# Altium PCB PCB_LoraRemote.PcbDoc
Units mil, origin at the board's own origin, x right, y up, seen from the top; angles counter-clockwise.
Board outline 2132.08 x 1899.79 mil, 4 copper layers (Top Layer, Layer1_VCC, Layer2_GND, Bottom Layer), stack 53.912 mil thick; 72 components, 93 nets, 422 pads, 144 vias.
Unrouted connection lines stored in the file: 69.
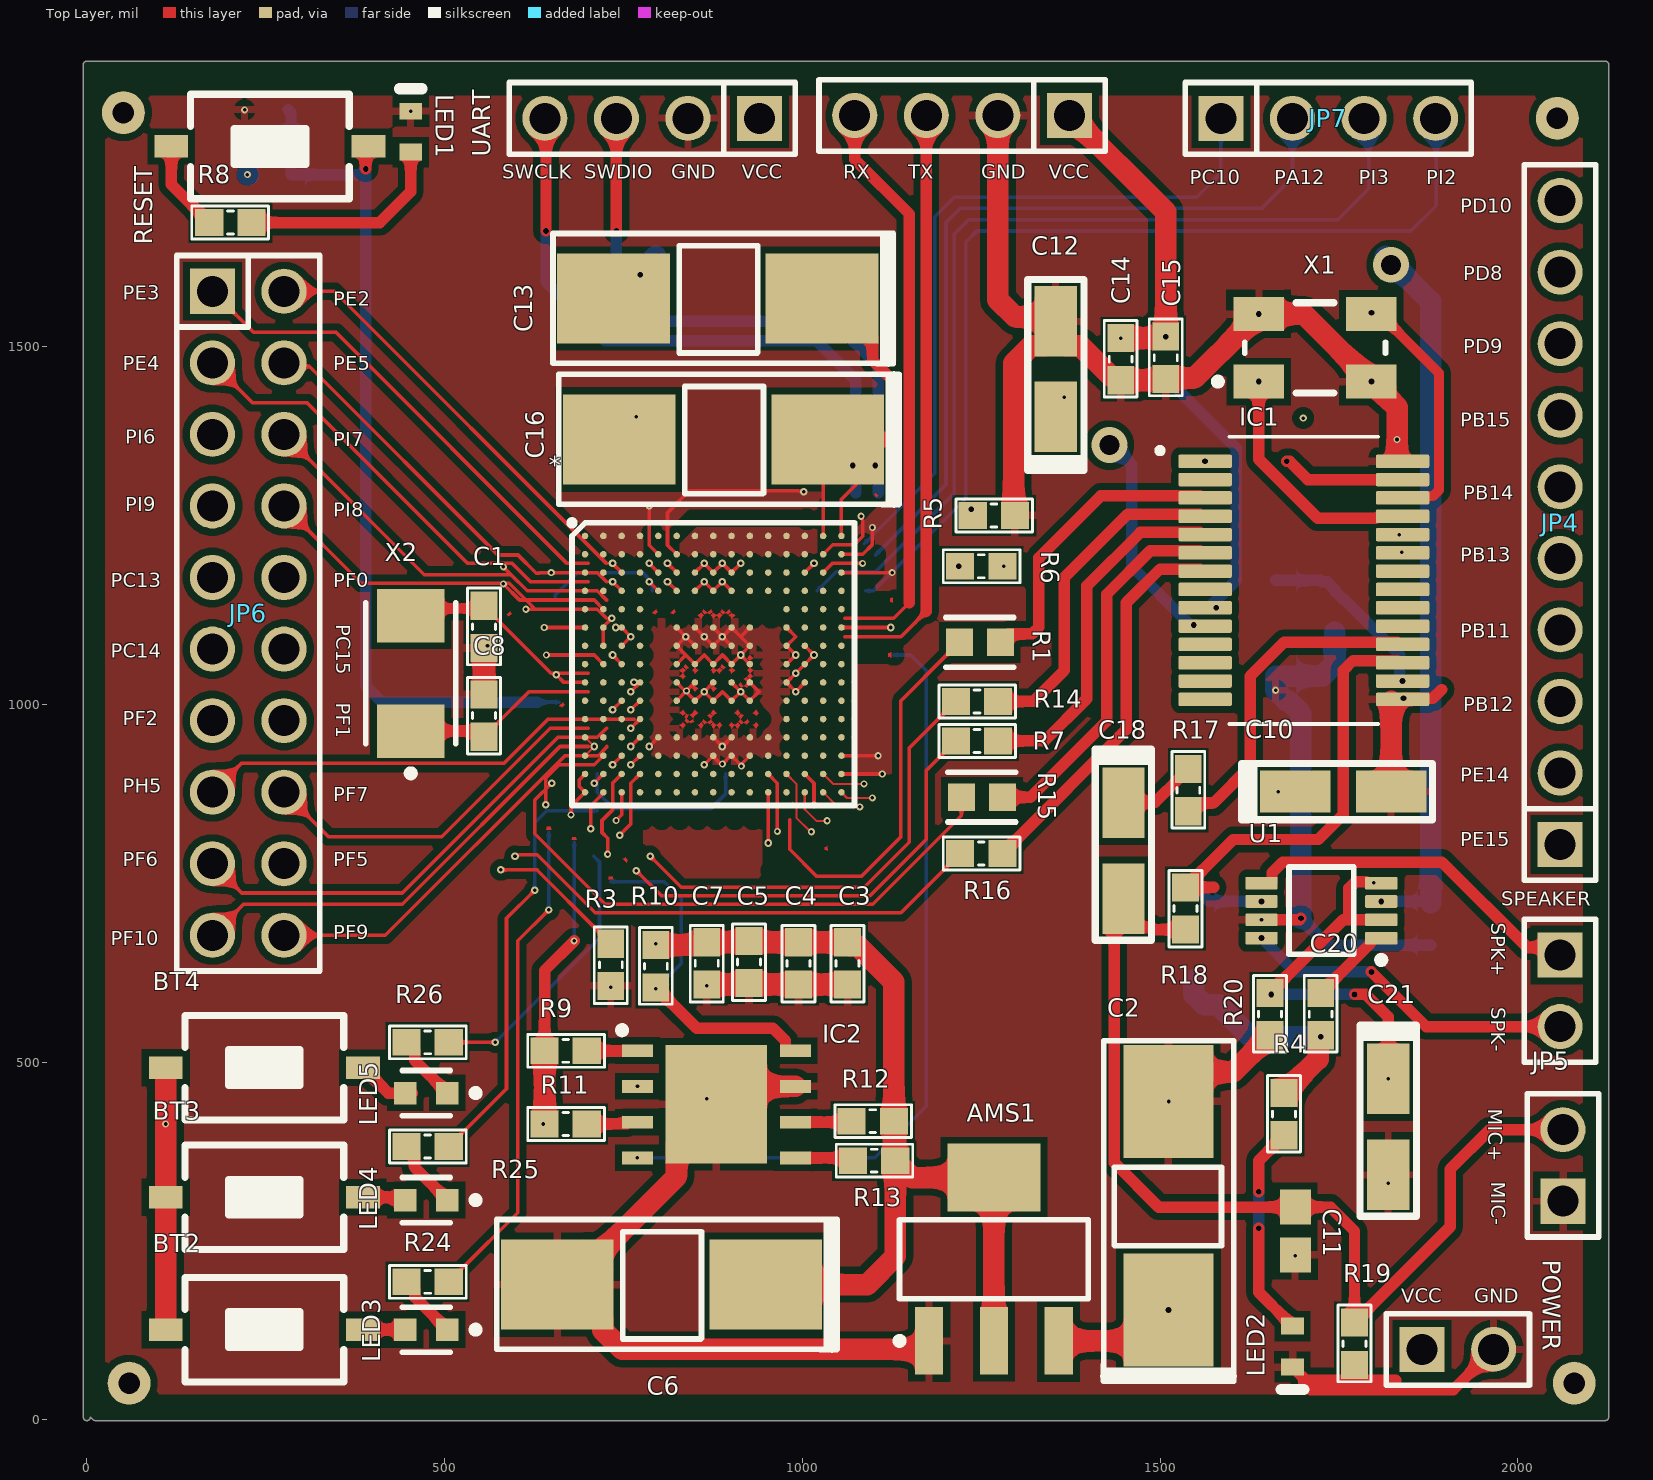
[diagram p0: Top Layer view]
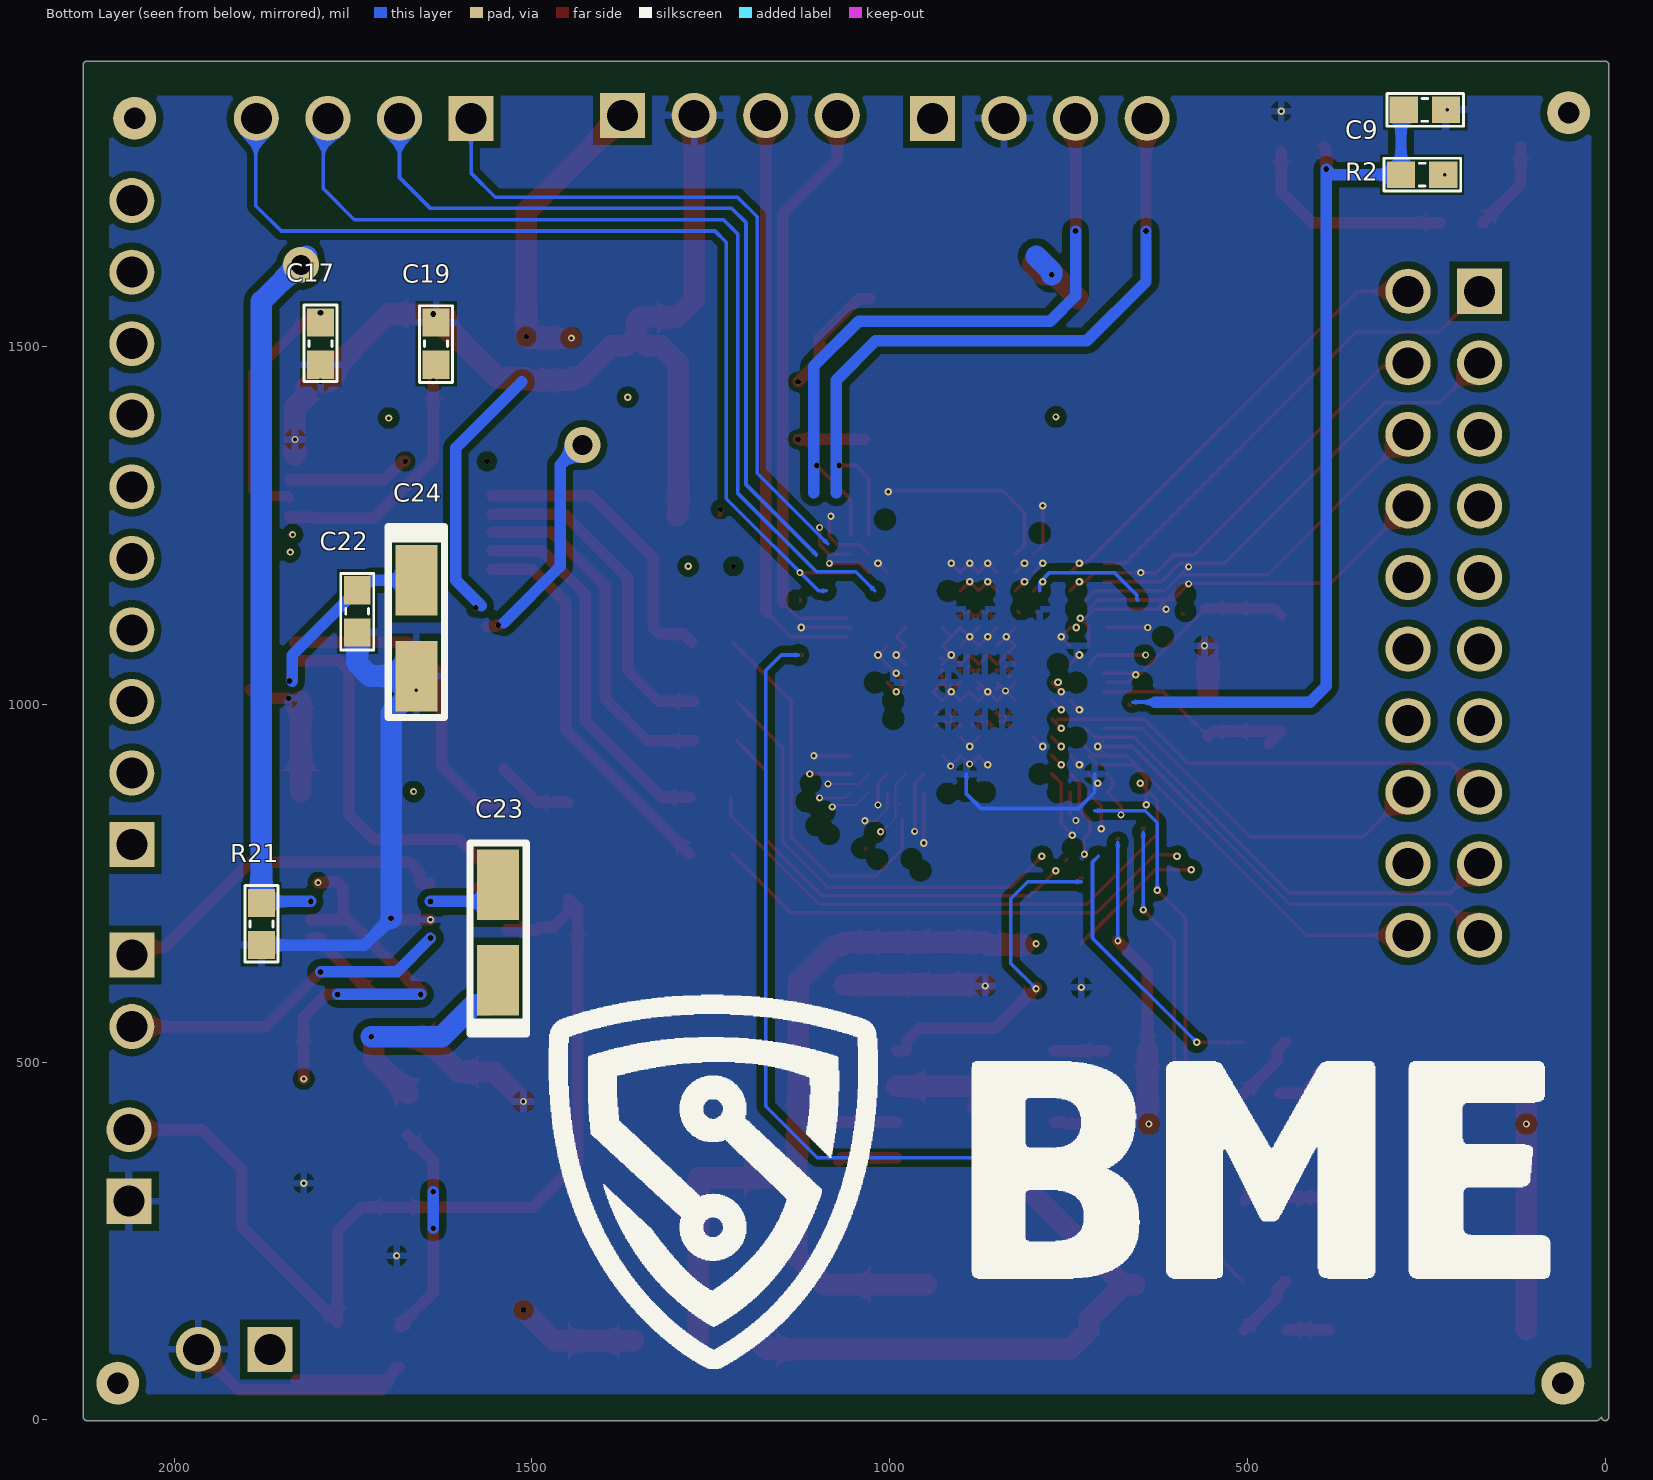
[diagram p1: Bottom Layer view, seen from below]
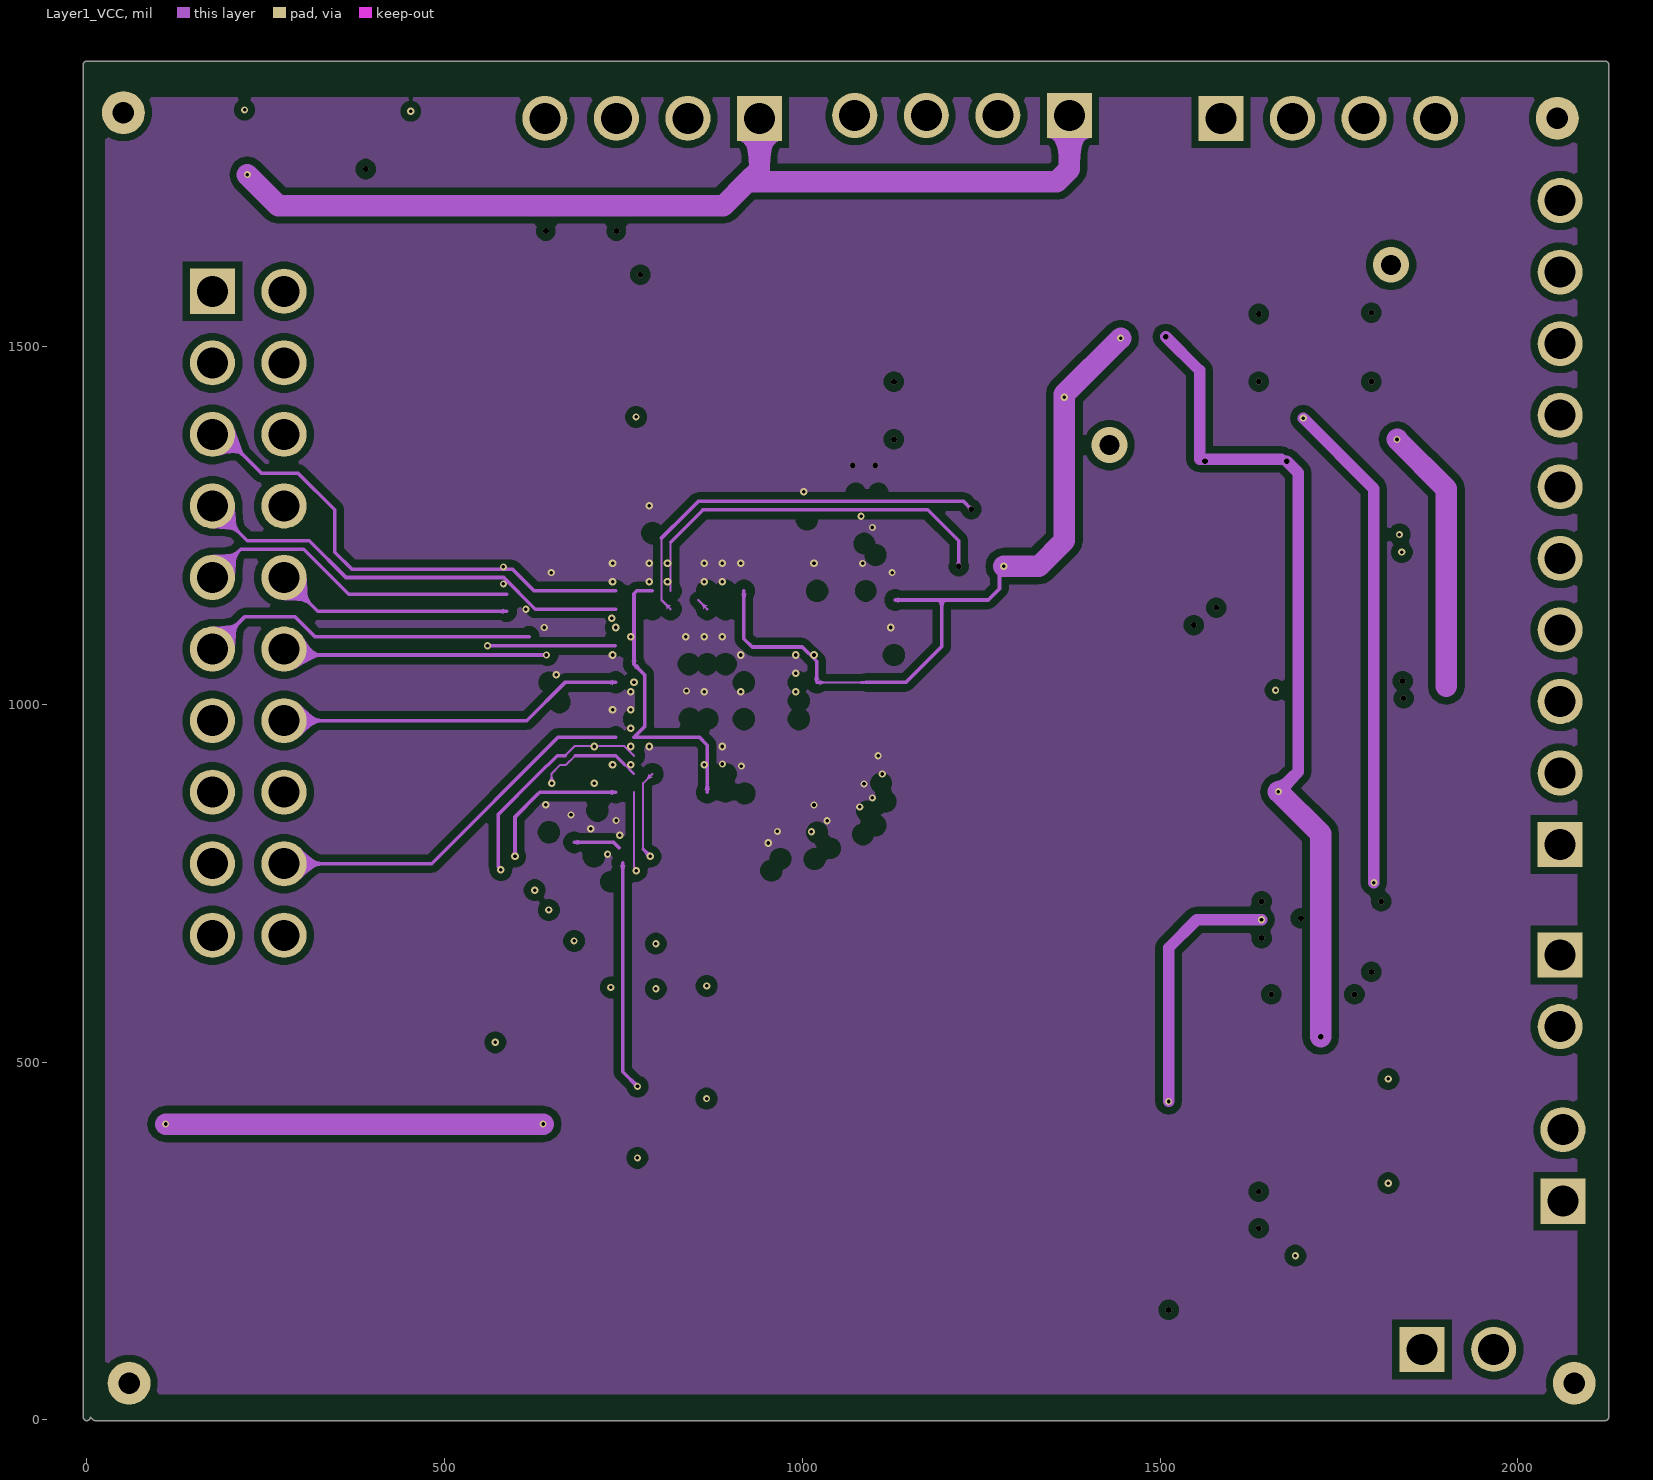
[diagram p2: Layer1_VCC]
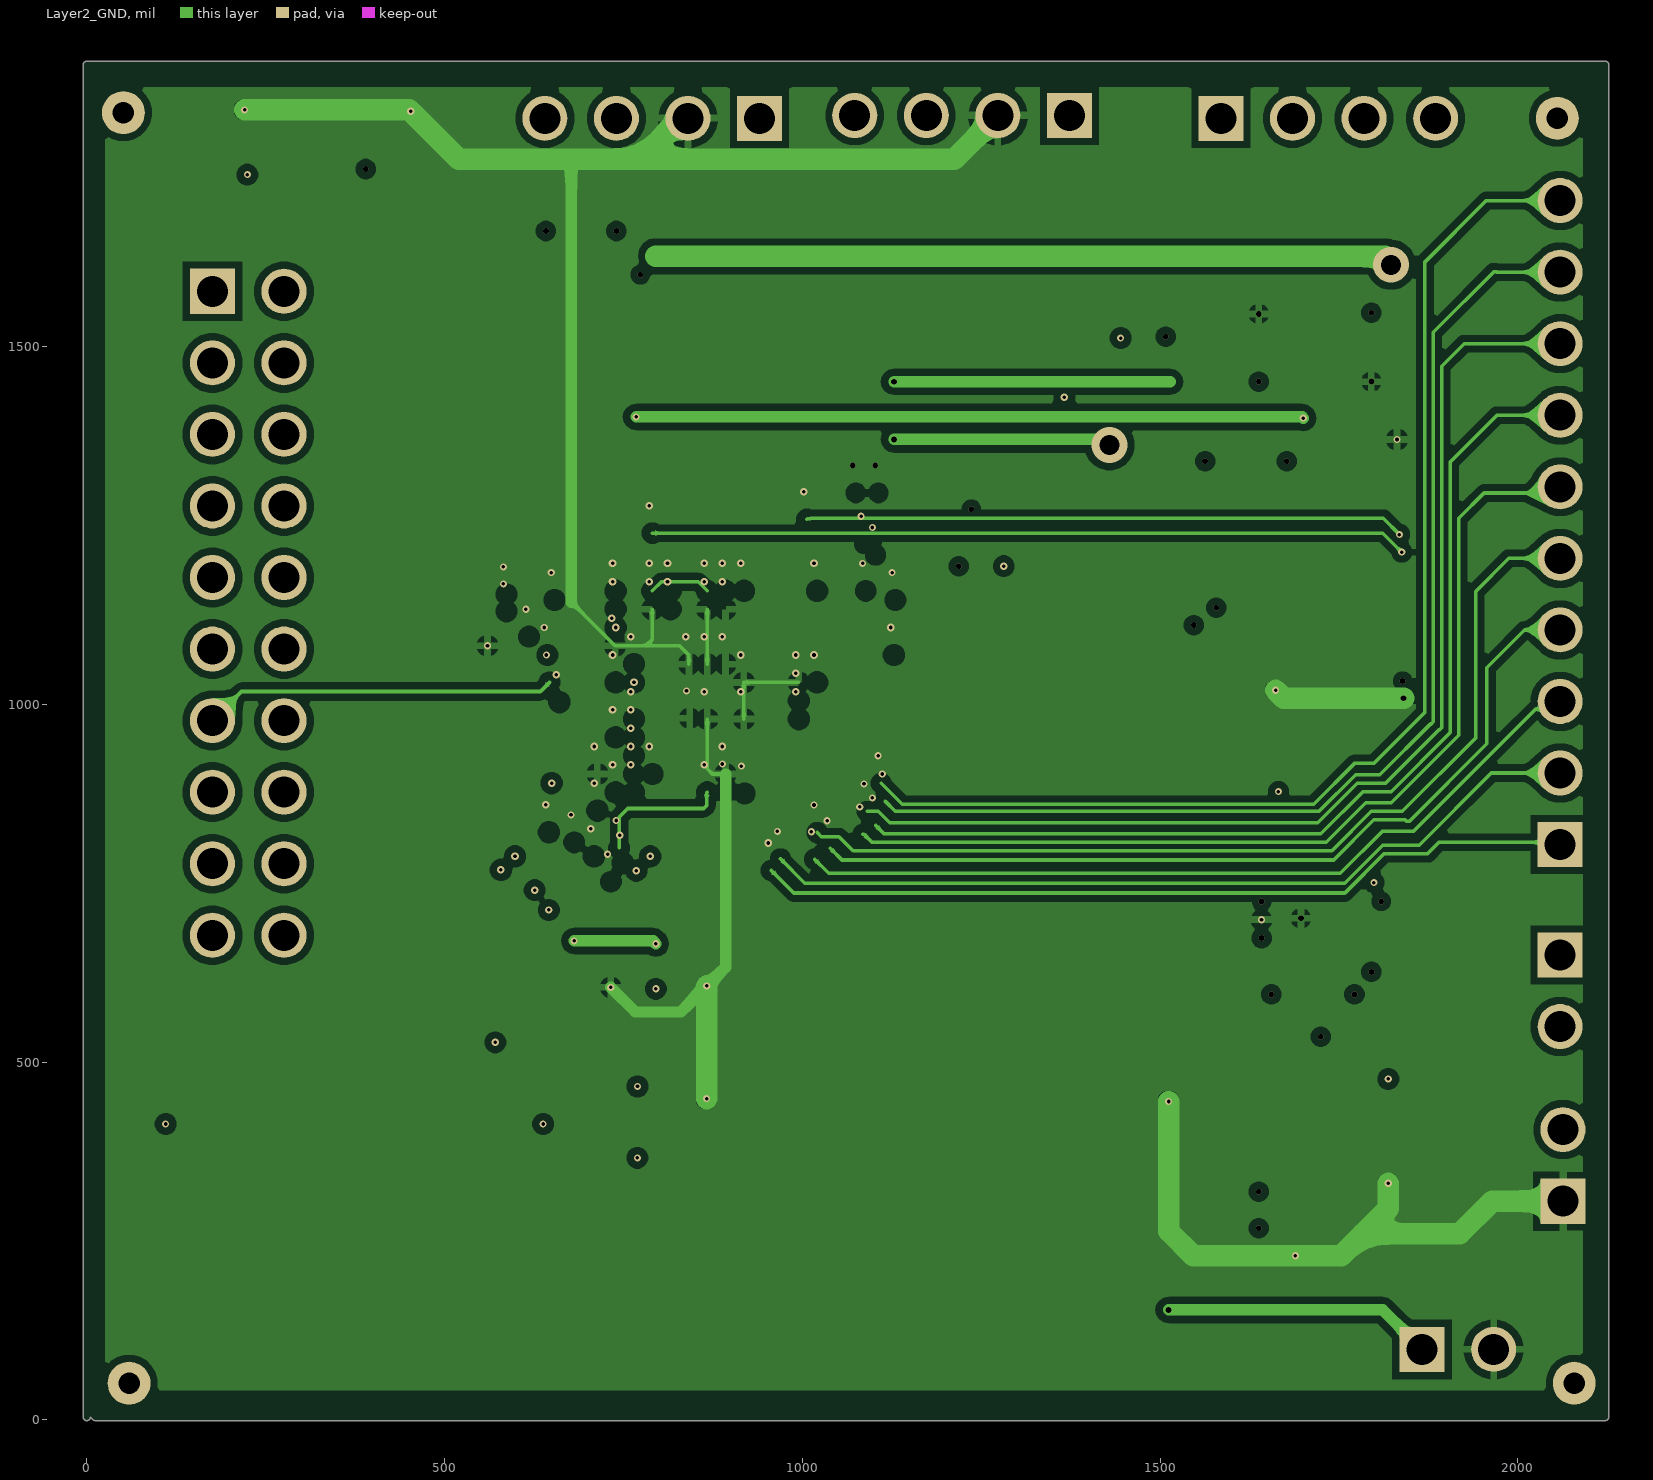
[diagram p3: Layer2_GND]
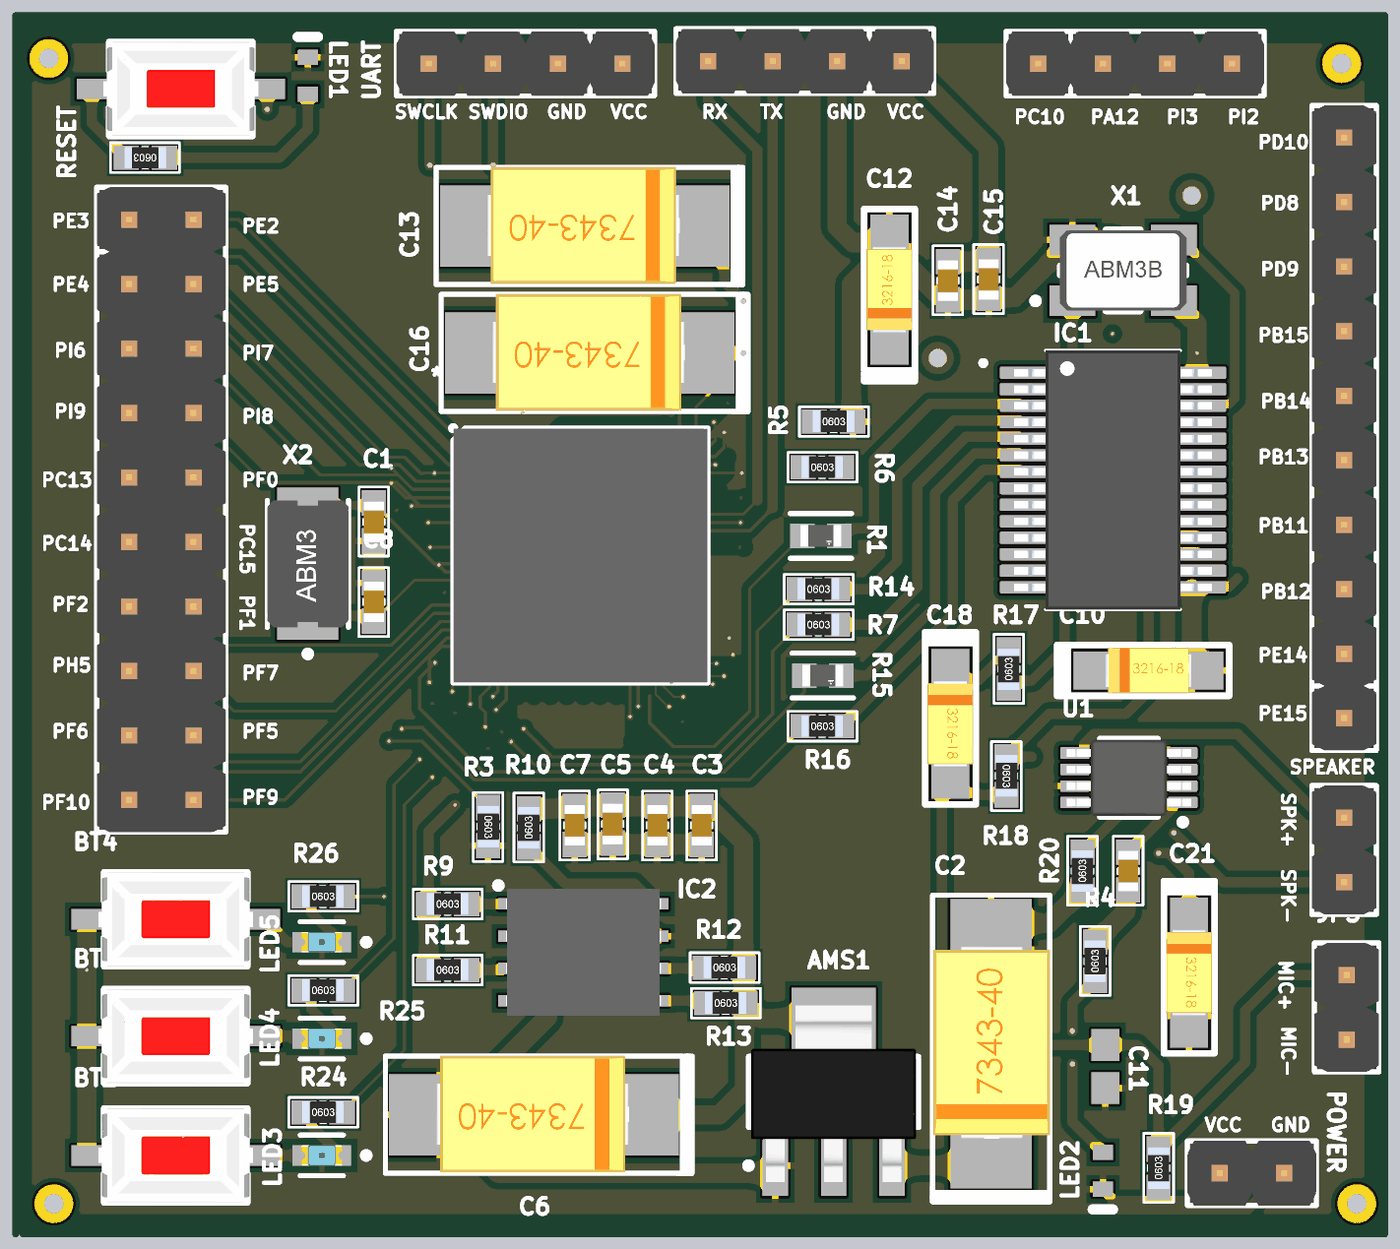
[diagram p4: 3D render of the assembled board from above, using the file's embedded part models]
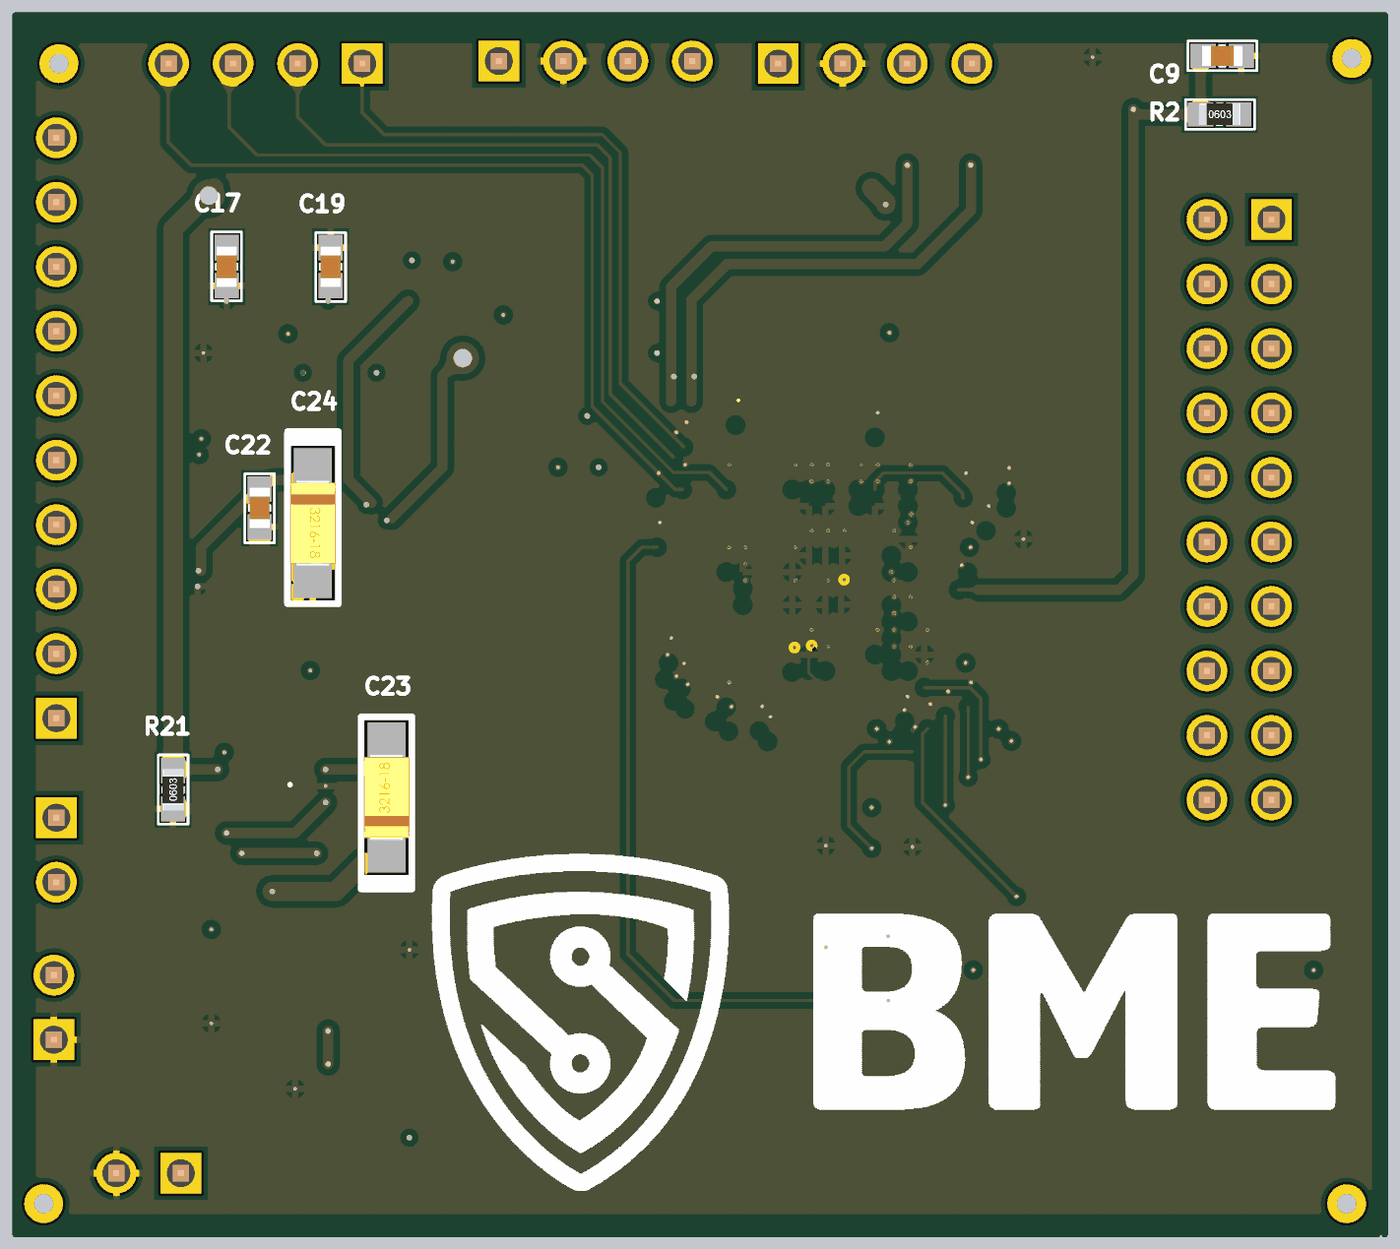
[diagram p5: 3D render of the assembled board from below, using the file's embedded part models]

## Layer stack, top to bottom
Top Solder: solder mask 1, SM-001, Dk 4
Top Layer: signal copper 1.378
Dielectric 1: prepreg 5.1, PP-017, Dk 4.3
Dielectric 2: prepreg 5.1, PP-017, Dk 4.3
Layer1_VCC: signal copper 1.378
Dielectric 3: core 28, Core-039, Dk 4.8
Layer2_GND: signal copper 1.378
Dielectric 4: prepreg 5.1, PP-017, Dk 4.3
Dielectric 5: prepreg 5.1, PP-017, Dk 4.3
Bottom Layer: signal copper 1.378
Bottom Solder: solder mask 1, SM-001, Dk 4

## Board outline
-5.01,3.94 ccw(c0,3.94) 5.01,3.65 8.26,0.39 ccw(c11.8,3.91) 11.81,-1.08 2122.05,-1.08 ccw(c2122.05,3.94) 2127.06,3.94 2127.06,1893.7 ccw(c2122.05,1893.7) 2122.05,1898.72 0,1898.72 ccw(c0,1893.7) -5.02,1893.7

## Design rules (kind name [scope] priority, off if disabled: settings)
Clearance Clearance_BGA [WithinRoom('BGA')] p1: gap=3 ignorepadtopadclearanceinfootprint=FALSE
Clearance [All] p2: gap=10 ignorepadtopadclearanceinfootprint=FALSE
DiffPairsRouting [All] p1: maxlimit=15 minlimit=5 mostfreqgap=12 toplayer_minwidth=5 toplayer_maxwidth=34 toplayer_prefwidth=5 midlayer1_minwidth=5 midlayer1_maxwidth=34 midlayer1_prefwidth=5 midlayer2_minwidth=5 midlayer2_maxwidth=34 midlayer2_prefwidth=5 bottomlayer_minwidth=5 bottomlayer_maxwidth=34 bottomlayer_prefwidth=5 maxuncoupledlength=500
PolygonConnect [All] p1: connectstyle=Relief reliefconductorwidth=10 reliefentries=4 polygonreliefangle="90 Angle" airgapwidth=10
RoutingVias RoutingVias_BGA [WithinRoom('BGA')] p1: holewidth=5 width=10 viastyle="Through Hole" minholewidth=5 minwidth=10 maxholewidth=5 maxwidth=10
RoutingVias [All] p2: holewidth=5 width=10 viastyle="Through Hole" minholewidth=5 minwidth=10 maxholewidth=5 maxwidth=10
SolderMaskExpansion [All] p1: expansion=4 istentingtop=FALSE
Width Width_BGA [WithinRoom('BGA')] p1: maxlimit=30 minlimit=3 preferedwidth=5 toplayer_maxwidth=16 toplayer_prefwidth=3 midlayer1_maxwidth=5 bottomlayer_minwidth=5 bottomlayer_maxwidth=5 minimp=50.000000 maximp=50.000000 favimp=50.000000
Width [All] p2: maxlimit=16 minlimit=3 preferedwidth=5 toplayer_maxwidth=5 bottomlayer_maxwidth=5 minimp=50.000000 maximp=50.000000 favimp=50.000000
29 further rules are at their usual default settings.

## Classes and differential pairs
component class SCH_LoraRemote: * AMS1 BT2 BT3 BT4 C1 C2 C3 C4 C5 C6 C7 C8 C9 C10 C11 C12 C13 C14 C15 C16 C17 C18 C19 C20 C21 C22 C23 C24 IC1 IC2 JP4 JP5 JP6 JP7 LED1 LED2 LED3 LED4 LED5 R1 R2 R3 R4 R5 R6 R7 R8 R9 R10 R11 R12 R13 R14 R15 R16 R17 R18 R19 R20 R21 R24 R25 R26 RESET

## Components (designator, comment, footprint, x,y, rotation, side; value= is the part's Value field where it differs from the comment)
* "STM32F437UFBGA176" stm32f407BGA176 875.51,1056.1 r0 top
AMS1 "AMS1117-3.3V" SOT223 1267.72,224.41 r0 top value="AMS1117-3.3V SOT223"
BT2 "Nut Nhan 2 Chan SMD 3x6x2.5" "Nut Nhan 2 Chan SMD 3x6x2.5" 248.03,125.98 r0 top
BT3 "Nut Nhan 2 Chan SMD 3x6x2.5" "Nut Nhan 2 Chan SMD 3x6x2.5" 248.03,311.02 r0 top
BT4 "Nut Nhan 2 Chan SMD 3x6x2.5" "Nut Nhan 2 Chan SMD 3x6x2.5" 248.03,492.13 r0 top
C1 "22pF" "tu 0603" 555.12,1108.27 r90 top
C2 "470uF" "tu tantalum smd7343" 1511.81,299.21 r90 top
C3 "104" "tu 0603" 1063.24,637.86 r270 top
C4 "104" "tu 0603" 994.62,637.82 r270 top
C5 "104" "tu 0603" 925.45,639.83 r270 top
C6 "470uF" "tu tantalum smd7343" 803.15,188.98 r180 top
C7 "104" "tu 0603" 866.39,637.86 r270 top
C8 "22pF" "tu 0603" 555.12,984.25 r270 top
C9 "104" "tu 0603" 251.97,1830.71 r180 bottom
C10 "10uF" "tu tantalum smd3216" 1755.91,877.95 r0 top
C11 "06035C221KAT2A" CAPC1608X90X35ML15T15 1688.98,263.78 r90 top
C12 "10uF" "tu tantalum smd3216" 1354.33,1468.5 r90 top
C13 "220uF" "tu tantalum smd7343" 881.89,1566.93 r180 top
C14 "104" "tu 0603" 1444.88,1482.28 r90 top
C15 "104" "tu 0603" 1507.87,1484.25 r90 top
C16 "220uF" "tu tantalum smd7343" 889.76,1370.08 r180 top
C17 "22pF" "tu 0603" 1795.28,1503.94 r90 bottom
C18 "1uF" "tu tantalum smd3216" 1448.82,795.28 r270 top
C19 "22pF" "tu 0603" 1633.86,1503.94 r270 bottom
C20 "105" "tu 0603" 1724.41,566.93 r90 top
C21 "1uF" "tu tantalum smd3216" 1818.9,409.45 r270 top
C22 "104" "tu 0603" 1744.09,1129.92 r270 bottom
C23 "1uF" "tu tantalum smd3216" 1547.24,681.1 r90 bottom
C24 "10uF" "tu tantalum smd3216" 1661.42,1106.3 r270 bottom
IC1 "WM8731" WM8731_SSOP 1700.79,1173.23 r0 top
IC2 "AT45DB321D-MU" SON127P600X500X100-9N-D 879.92,440.94 r0 top
JP4 "JP 1x10 2.54" "JP 1x10 DT" 2059.06,803.94 r90 top
JP5 "JP 1x2 2.54" "JP 1x2 DT" 2062.99,305.51 r90 top
JP6 "JP 2x10 2.54" "JP 2x10 DT" 225.59,1127.17 r270 top
JP7 "JP 1x4 2.54" "JP 1x4 DT" 1585.04,1818.9 r0 top
LED1 "TLMY1000-GS08" VISH-TLMY1000_V 452.76,1800.2 r90 top
LED2 "TLMS1000-GS08" VISH-TLMS1000_V 1685.04,102.36 r270 top
LED3 "LTST-C191TBKT" FP-LTST-C191TBKT-MFG 474.41,125.98 r180 top
LED4 "LTST-C191TBKT" FP-LTST-C191TBKT-MFG 474.41,307.09 r180 top
LED5 "LTST-C191TBKT" FP-LTST-C191TBKT-MFG 474.41,456.69 r180 top
POWER "JP 1x2 2.54" "JP 1x2 DT" 1866.14,98.43 r0 top (schematic designator JP1)
R1 "27R" FP-CRCW0603-HPe3-IPC_B 1248.03,1086.61 r0 top
R2 "10k" "tro smd 0603" 255.91,1740.16 r180 bottom
R3 "10k" "tro smd 0603" 732.28,635.83 r270 top
R4 "220R" "tro smd 0603" 1673.23,427.17 r90 top
R5 "10k" "tro smd 0603" 1267.72,1263.78 r0 top
R6 "10k" "tro smd 0603" 1250,1192.91 r0 top
R7 "27R" FP-CRCW0603-HPe3-IPC_B 1250.91,870.08 r0 top
R8 "220R" "tro smd 0603" 200.79,1673.23 r180 top
R9 "10k" "tro smd 0603" 669.29,515.75 r0 top
R10 "10k" "tro smd 0603" 795.28,633.86 r90 top
R11 "10k" "tro smd 0603" 669.29,413.39 r0 top
R12 "10k" "tro smd 0603" 1098.43,417.32 r0 top
R13 "10k" "tro smd 0603" 1100.39,362.2 r0 top
R14 "1k" "tro smd 0603" 1244.09,1003.94 r0 top
R15 "1k" "tro smd 0603" 1244.09,948.82 r0 top
R16 "1k" "tro smd 0603" 1250,791.34 r0 top
R17 "330R" "tro smd 0603" 1539.37,879.92 r90 top
R18 "680R" "tro smd 0603" 1535.43,714.57 r270 top
R19 "47k" "tro smd 0603" 1771.65,106.3 r90 top
R20 "47k" "tro smd 0603" 1653.54,566.93 r90 top
R21 "47k" "tro smd 0603" 1877.95,692.91 r90 bottom
R24 "220R" "tro smd 0603" 476.26,192.91 r0 top
R25 "220R" "tro smd 0603" 476.26,381.89 r0 top
R26 "220R" "tro smd 0603" 476.26,527.56 r0 top
RESET "Nut Nhan 2 Chan SMD 3x6x2.5" "Nut Nhan 2 Chan SMD 3x6x2.5" 255.91,1779.53 r0 top
SPEAKER "JP 1x2 2.54" "JP 1x2 DT" 2059.06,649.61 r270 top (schematic designator JP2)
U1 "LM4871MM/NOPB" DGK0008A_L 1725.39,711.61 r180 top
UART "JP 1x4 2.54" "JP 1x4 DT" 940.16,1818.9 r180 top (schematic designator JP3)
X1 "ABM3B-12.288MHZ-B2-T" ABRA-ABM3B-4_V 1716.54,1498.18 r0 top
X2 "ABM3-8.000MHZ-D2Y-T" ABRA-ABM3-2_V 452.76,1043.31 r90 top
? "JP 1x4 2.54" "JP 1x4 DT" 1373.23,1822.83 r180 top
